# KiCad board output.Panel_R0.5.1_300x300_2layer_step1_Modified.kicad_pcb (continued)
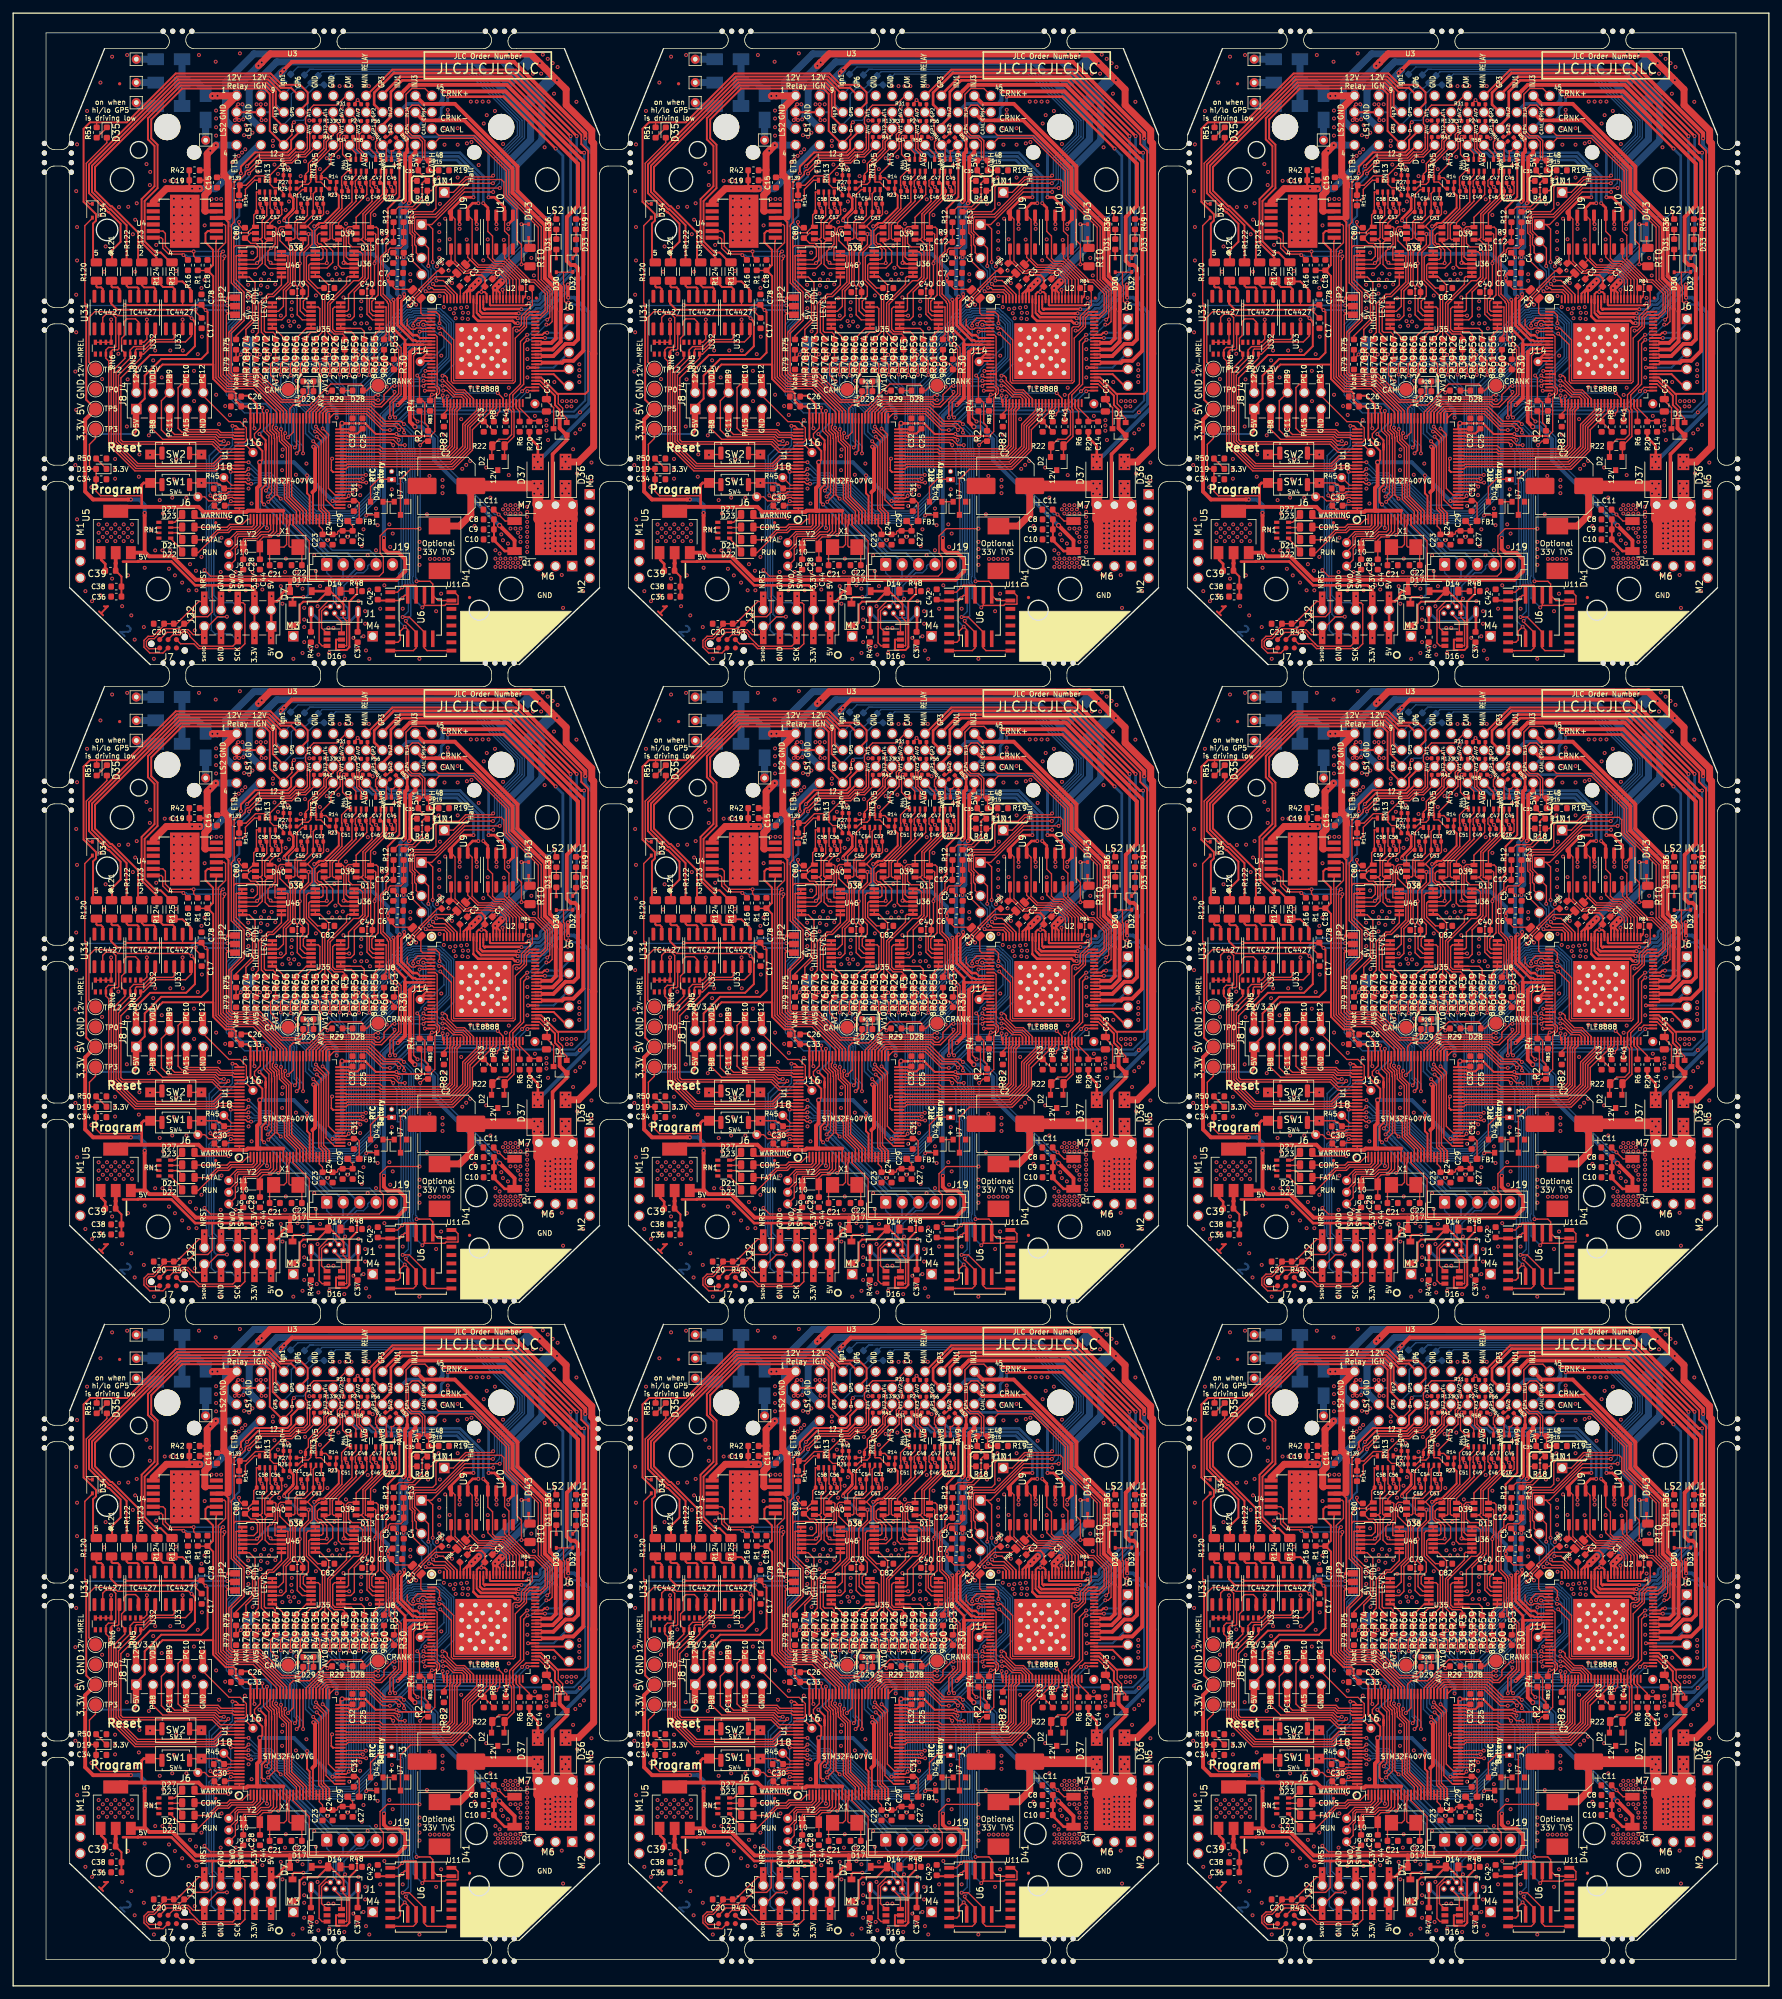
[diagram p0: board, top side]
## Nets (continued)
/AV2_MCU: R26.1 R26#2.1 R26#3.1 R26#4.1 R26#5.1 R26#6.1 R26#7.1 R26#8.1 R26#9.1 R39.2 R39#2.2 R39#3.2 R39#4.2 R39#5.2 R39#6.2 R39#7.2 R39#8.2 R39#9.2 U1.31 U1#2.31 U1#3.31 U1#4.31 U1#5.31 U1#6.31 U1#7.31 U1#8.31 U1#9.31
/AV3: R24.1 R24#2.1 R24#3.1 R24#4.1 R24#5.1 R24#6.1 R24#7.1 R24#8.1 R24#9.1 RN4.1 RN4#2.1 RN4#3.1 RN4#4.1 RN4#5.1 RN4#6.1 RN4#7.1 RN4#8.1 RN4#9.1 U3.31 U3#2.31 U3#3.31 U3#4.31 U3#5.31 U3#6.31 U3#7.31 U3#8.31 U3#9.31
/AV3_MCU: R5.1 R5#2.1 R5#3.1 R5#4.1 R5#5.1 R5#6.1 R5#7.1 R5#8.1 R5#9.1 R38.2 R38#2.2 R38#3.2 R38#4.2 R38#5.2 R38#6.2 R38#7.2 R38#8.2 R38#9.2 U1.32 U1#2.32 U1#3.32 U1#4.32 U1#5.32 U1#6.32 U1#7.32 U1#8.32 U1#9.32
/AV4: D7.2 D7#2.2 D7#3.2 D7#4.2 D7#5.2 D7#6.2 D7#7.2 D7#8.2 D7#9.2 R11.1 R11#2.1 R11#3.1 R11#4.1 R11#5.1 R11#6.1 R11#7.1 R11#8.1 R11#9.1 R131.1 R131#2.1 R131#3.1 R131#4.1 R131#5.1 R131#6.1 R131#7.1 R131#8.1 R131#9.1 RN13.2 RN13#2.2 RN13#3.2 RN13#4.2 RN13#5.2 RN13#6.2 RN13#7.2 RN13#8.2 RN13#9.2 U3.19 U3#2.19 U3#3.19 U3#4.19 U3#5.19 U3#6.19 U3#7.19 U3#8.19 U3#9.19
/AV4_MCU: R73.1 R73#2.1 R73#3.1 R73#4.1 R73#5.1 R73#6.1 R73#7.1 R73#8.1 R73#9.1 R77.2 R77#2.2 R77#3.2 R77#4.2 R77#5.2 R77#6.2 R77#7.2 R77#8.2 R77#9.2 U1.17 U1#2.17 U1#3.17 U1#4.17 U1#5.17 U1#6.17 U1#7.17 U1#8.17 U1#9.17
/AV5: R40.1 R40#2.1 R40#3.1 R40#4.1 R40#5.1 R40#6.1 R40#7.1 R40#8.1 R40#9.1 R41.1 R41#2.1 R41#3.1 R41#4.1 R41#5.1 R41#6.1 R41#7.1 R41#8.1 R41#9.1 RN13.1 RN13#2.1 RN13#3.1 RN13#4.1 RN13#5.1 RN13#6.1 RN13#7.1 RN13#8.1 RN13#9.1 U3.20 U3#2.20 U3#3.20 U3#4.20 U3#5.20 U3#6.20 U3#7.20 U3#8.20 U3#9.20
/AV5_MCU: R72.1 R72#2.1 R72#3.1 R72#4.1 R72#5.1 R72#6.1 R72#7.1 R72#8.1 R72#9.1 R76.2 R76#2.2 R76#3.2 R76#4.2 R76#5.2 R76#6.2 R76#7.2 R76#8.2 R76#9.2 U1.18 U1#2.18 U1#3.18 U1#4.18 U1#5.18 U1#6.18 U1#7.18 U1#8.18 U1#9.18
/AV6: R58.1 R58#2.1 R58#3.1 R58#4.1 R58#5.1 R58#6.1 R58#7.1 R58#8.1 R58#9.1 RN2.4 RN2#2.4 RN2#3.4 RN2#4.4 RN2#5.4 RN2#6.4 RN2#7.4 RN2#8.4 RN2#9.4 U2.78 U2#2.78 U2#3.78 U2#4.78 U2#5.78 U2#6.78 U2#7.78 U2#8.78 U2#9.78 U3.32 U3#2.32 U3#3.32 U3#4.32 U3#5.32 U3#6.32 U3#7.32 U3#8.32 U3#9.32 U9.6 U9#2.6 U9#3.6 U9#4.6 U9#5.6 U9#6.6 U9#7.6 U9#8.6 U9#9.6
/AV6_MCU: R59.1 R59#2.1 R59#3.1 R59#4.1 R59#5.1 R59#6.1 R59#7.1 R59#8.1 R59#9.1 R63.2 R63#2.2 R63#3.2 R63#4.2 R63#5.2 R63#6.2 R63#7.2 R63#8.2 R63#9.2 R86.2 R86#2.2 R86#3.2 R86#4.2 R86#5.2 R86#6.2 R86#7.2 R86#8.2 R86#9.2 U1.33 U1#2.33 U1#3.33 U1#4.33 U1#5.33 U1#6.33 U1#7.33 U1#8.33 U1#9.33
/AV7: R56.1 R56#2.1 R56#3.1 R56#4.1 R56#5.1 R56#6.1 R56#7.1 R56#8.1 R56#9.1 RN2.3 RN2#2.3 RN2#3.3 RN2#4.3 RN2#5.3 RN2#6.3 RN2#7.3 RN2#8.3 RN2#9.3 U3.30 U3#2.30 U3#3.30 U3#4.30 U3#5.30 U3#6.30 U3#7.30 U3#8.30 U3#9.30
/AV7_MCU: R57.1 R57#2.1 R57#3.1 R57#4.1 R57#5.1 R57#6.1 R57#7.1 R57#8.1 R57#9.1 R62.2 R62#2.2 R62#3.2 R62#4.2 R62#5.2 R62#6.2 R62#7.2 R62#8.2 R62#9.2 U1.34 U1#2.34 U1#3.34 U1#4.34 U1#5.34 U1#6.34 U1#7.34 U1#8.34 U1#9.34
/AV8: R54.1 R54#2.1 R54#3.1 R54#4.1 R54#5.1 R54#6.1 R54#7.1 R54#8.1 R54#9.1 RN2.2 RN2#2.2 RN2#3.2 RN2#4.2 RN2#5.2 RN2#6.2 RN2#7.2 RN2#8.2 RN2#9.2 U2.76 U2#2.76 U2#3.76 U2#4.76 U2#5.76 U2#6.76 U2#7.76 U2#8.76 U2#9.76 U3.36 U3#2.36 U3#3.36 U3#4.36 U3#5.36 U3#6.36 U3#7.36 U3#8.36 U3#9.36 U10.8 U10#2.8 U10#3.8 U10#4.8 U10#5.8 U10#6.8 U10#7.8 U10#8.8 U10#9.8
/AV8_MCU: R55.1 R55#2.1 R55#3.1 R55#4.1 R55#5.1 R55#6.1 R55#7.1 R55#8.1 R55#9.1 R61.2 R61#2.2 R61#3.2 R61#4.2 R61#5.2 R61#6.2 R61#7.2 R61#8.2 R61#9.2 R84.2 R84#2.2 R84#3.2 R84#4.2 R84#5.2 R84#6.2 R84#7.2 R84#8.2 R84#9.2 U1.35 U1#2.35 U1#3.35 U1#4.35 U1#5.35 U1#6.35 U1#7.35 U1#8.35 U1#9.35
/AV9: R7.2 R7#2.2 R7#3.2 R7#4.2 R7#5.2 R7#6.2 R7#7.2 R7#8.2 R7#9.2 R52.1 R52#2.1 R52#3.1 R52#4.1 R52#5.1 R52#6.1 R52#7.1 R52#8.1 R52#9.1 RN2.1 RN2#2.1 RN2#3.1 RN2#4.1 RN2#5.1 RN2#6.1 RN2#7.1 RN2#8.1 RN2#9.1 U2.73 U2#2.73 U2#3.73 U2#4.73 U2#5.73 U2#6.73 U2#7.73 U2#8.73 U2#9.73 U3.40 U3#2.40 U3#3.40 U3#4.40 U3#5.40 U3#6.40 U3#7.40 U3#8.40 U3#9.40 U10.6 U10#2.6 U10#3.6 U10#4.6 U10#5.6 U10#6.6 U10#7.6 U10#8.6 U10#9.6
/AV9_MCU: R30.2 R30#2.2 R30#3.2 R30#4.2 R30#5.2 R30#6.2 R30#7.2 R30#8.2 R30#9.2 R53.1 R53#2.1 R53#3.1 R53#4.1 R53#5.1 R53#6.1 R53#7.1 R53#8.1 R53#9.1 R60.2 R60#2.2 R60#3.2 R60#4.2 R60#5.2 R60#6.2 R60#7.2 R60#8.2 R60#9.2 U1.36 U1#2.36 U1#3.36 U1#4.36 U1#5.36 U1#6.36 U1#7.36 U1#8.36 U1#9.36
/AV10: R34.1 R34#2.1 R34#3.1 R34#4.1 R34#5.1 R34#6.1 R34#7.1 R34#8.1 R34#9.1 RN4.3 RN4#2.3 RN4#3.3 RN4#4.3 RN4#5.3 RN4#6.3 RN4#7.3 RN4#8.3 RN4#9.3 U2.80 U2#2.80 U2#3.80 U2#4.80 U2#5.80 U2#6.80 U2#7.80 U2#8.80 U2#9.80 U3.28 U3#2.28 U3#3.28 U3#4.28 U3#5.28 U3#6.28 U3#7.28 U3#8.28 U3#9.28 U9.8 U9#2.8 U9#3.8 U9#4.8 U9#5.8 U9#6.8 U9#7.8 U9#8.8 U9#9.8
/AV10_MCU: R32.1 R32#2.1 R32#3.1 R32#4.1 R32#5.1 R32#6.1 R32#7.1 R32#8.1 R32#9.1 R44.2 R44#2.2 R44#3.2 R44#4.2 R44#5.2 R44#6.2 R44#7.2 R44#8.2 R44#9.2 R85.2 R85#2.2 R85#3.2 R85#4.2 R85#5.2 R85#6.2 R85#7.2 R85#8.2 R85#9.2 U1.29 U1#2.29 U1#3.29 U1#4.29 U1#5.29 U1#6.29 U1#7.29 U1#8.29 U1#9.29
/MCU/VBAT: D42.1 D42#2.1 D42#3.1 D42#4.1 D42#5.1 D42#6.1 D42#7.1 D42#8.1 D42#9.1 U7.2 U7#2.2 U7#3.2 U7#4.2 U7#5.2 U7#6.2 U7#7.2 U7#8.2 U7#9.2
/MCU/VDDA: C23.2 C23#2.2 C23#3.2 C23#4.2 C23#5.2 C23#6.2 C23#7.2 C23#8.2 C23#9.2 C24.2 C24#2.2 C24#3.2 C24#4.2 C24#5.2 C24#6.2 C24#7.2 C24#8.2 C24#9.2 C27.2 C27#2.2 C27#3.2 C27#4.2 C27#5.2 C27#6.2 C27#7.2 C27#8.2 C27#9.2 C29.2 C29#2.2 C29#3.2 C29#4.2 C29#5.2 C29#6.2 C29#7.2 C29#8.2 C29#9.2 FB1.2 FB1#2.2 FB1#3.2 FB1#4.2 FB1#5.2 FB1#6.2 FB1#7.2 FB1#8.2 FB1#9.2 U1.21 U1.22 U1#2.21 U1#2.22 U1#3.21 U1#3.22 U1#4.21 U1#4.22 U1#5.21 U1#5.22 U1#6.21 U1#6.22 U1#7.21 U1#7.22 U1#8.21 U1#8.22 U1#9.21 U1#9.22
/TLE8888-1QK/5V_STBY: C13.1 C13#2.1 C13#3.1 C13#4.1 C13#5.1 C13#6.1 C13#7.1 C13#8.1 C13#9.1 R8.1 R8#2.1 R8#3.1 R8#4.1 R8#5.1 R8#6.1 R8#7.1 R8#8.1 R8#9.1 U2.40 U2.41 U2#2.40 U2#2.41 U2#3.40 U2#3.41 U2#4.40 U2#4.41 U2#5.40 U2#5.41 U2#6.40 U2#6.41 U2#7.40 U2#7.41 U2#8.40 U2#8.41 U2#9.40 U2#9.41 U7.3 U7#2.3 U7#3.3 U7#4.3 U7#5.3 U7#6.3 U7#7.3 U7#8.3 U7#9.3
/TLE8888-1QK/V6GATE: C11.1 C11#2.1 C11#3.1 C11#4.1 C11#5.1 C11#6.1 C11#7.1 C11#8.1 C11#9.1 Q1.1 Q1#2.1 Q1#3.1 Q1#4.1 Q1#5.1 Q1#6.1 Q1#7.1 Q1#8.1 Q1#9.1 U2.13 U2#2.13 U2#3.13 U2#4.13 U2#5.13 U2#6.13 U2#7.13 U2#8.13 U2#9.13
/TLE8888-1QK/V6V: C8.1 C8#2.1 C8#3.1 C8#4.1 C8#5.1 C8#6.1 C8#7.1 C8#8.1 C8#9.1 C9.1 C9#2.1 C9#3.1 C9#4.1 C9#5.1 C9#6.1 C9#7.1 C9#8.1 C9#9.1 C10.1 C10#2.1 C10#3.1 C10#4.1 C10#5.1 C10#6.1 C10#7.1 C10#8.1 C10#9.1 Q1.3 Q1#2.3 Q1#3.3 Q1#4.3 Q1#5.3 Q1#6.3 Q1#7.3 Q1#8.3 Q1#9.3 U2.12 U2#2.12 U2#3.12 U2#4.12 U2#5.12 U2#6.12 U2#7.12 U2#8.12 U2#9.12
/Vbat_MCU: R74.1 R74#2.1 R74#3.1 R74#4.1 R74#5.1 R74#6.1 R74#7.1 R74#8.1 R74#9.1 R78.2 R78#2.2 R78#3.2 R78#4.2 R78#5.2 R78#6.2 R78#7.2 R78#8.2 R78#9.2 U1.16 U1#2.16 U1#3.16 U1#4.16 U1#5.16 U1#6.16 U1#7.16 U1#8.16 U1#9.16
/VDD: C18.1 C18#2.1 C18#3.1 C18#4.1 C18#5.1 C18#6.1 C18#7.1 C18#8.1 C18#9.1 C30.2 C30#2.2 C30#3.2 C30#4.2 C30#5.2 C30#6.2 C30#7.2 C30#8.2 C30#9.2 C31.2 C31#2.2 C31#3.2 C31#4.2 C31#5.2 C31#6.2 C31#7.2 C31#8.2 C31#9.2 C32.2 C32#2.2 C32#3.2 C32#4.2 C32#5.2 C32#6.2 C32#7.2 C32#8.2 C32#9.2 C33.2 C33#2.2 C33#3.2 C33#4.2 C33#5.2 C33#6.2 C33#7.2 C33#8.2 C33#9.2 C34.2 C34#2.2 C34#3.2 C34#4.2 C34#5.2 C34#6.2 C34#7.2 C34#8.2 C34#9.2 C36.2 C36#2.2 C36#3.2 C36#4.2 C36#5.2 C36#6.2 C36#7.2 C36#8.2 C36#9.2 C38.1 C38#2.1 C38#3.1 C38#4.1 C38#5.1 C38#6.1 C38#7.1 C38#8.1 C38#9.1 C39.2 C39#2.2 C39#3.2 C39#4.2 C39#5.2 C39#6.2 C39#7.2 C39#8.2 C39#9.2 C42.2 C42#2.2 C42#3.2 C42#4.2 C42#5.2 C42#6.2 C42#7.2 C42#8.2 C42#9.2 D19.2 D19#2.2 D19#3.2 D19#4.2 D19#5.2 D19#6.2 D19#7.2 D19#8.2 D19#9.2 FB1.1 FB1#2.1 FB1#3.1 FB1#4.1 FB1#5.1 FB1#6.1 FB1#7.1 FB1#8.1 FB1#9.1 J2.3 J2.4 J2#2.3 J2#2.4 J2#3.3 J2#3.4 J2#4.3 J2#4.4 J2#5.3 J2#5.4 J2#6.3 J2#6.4 J2#7.3 J2#7.4 J2#8.3 J2#8.4 J2#9.3 J2#9.4 J4.4 J4#2.4 J4#3.4 J4#4.4 J4#5.4 J4#6.4 J4#7.4 J4#8.4 J4#9.4 J7.1 J7#2.1 J7#3.1 J7#4.1 J7#5.1 J7#6.1 J7#7.1 J7#8.1 J7#9.1 R1.1 R1#2.1 R1#3.1 R1#4.1 R1#5.1 R1#6.1 R1#7.1 R1#8.1 R1#9.1 R4.1 R4#2.1 R4#3.1 R4#4.1 R4#5.1 R4#6.1 R4#7.1 R4#8.1 R4#9.1 R43.1 R43#2.1 R43#3.1 R43#4.1 R43#5.1 R43#6.1 R43#7.1 R43#8.1 R43#9.1 SW1.1 SW1#2.1 SW1#3.1 SW1#4.1 SW1#5.1 SW1#6.1 SW1#7.1 SW1#8.1 SW1#9.1 SW4.1 SW4#2.1 SW4#3.1 SW4#4.1 SW4#5.1 SW4#6.1 SW4#7.1 SW4#8.1 SW4#9.1 TP3.1 TP3#2.1 TP3#3.1 TP3#4.1 TP3#5.1 TP3#6.1 TP3#7.1 TP3#8.1 TP3#9.1 U1.11 U1.19 U1.28 U1.50 U1.75 U1.100 U1#2.11 U1#2.19 U1#2.28 U1#2.50 U1#2.75 U1#2.100 U1#3.11 U1#3.19 U1#3.28 U1#3.50 U1#3.75 U1#3.100 U1#4.11 U1#4.19 U1#4.28 U1#4.50 U1#4.75 U1#4.100 U1#5.11 U1#5.19 U1#5.28 U1#5.50 U1#5.75 U1#5.100 U1#6.11 U1#6.19 U1#6.28 U1#6.50 U1#6.75 U1#6.100 U1#7.11 U1#7.19 U1#7.28 U1#7.50 U1#7.75 U1#7.100 U1#8.11 U1#8.19 U1#8.28 U1#8.50 U1#8.75 U1#8.100 U1#9.11 U1#9.19 U1#9.28 U1#9.50 U1#9.75 U1#9.100 U2.8 U2.20 U2#2.8 U2#2.20 U2#3.8 U2#3.20 U2#4.8 U2#4.20 U2#5.8 U2#5.20 U2#6.8 U2#6.20 U2#7.8 U2#7.20 U2#8.8 U2#8.20 U2#9.8 U2#9.20 U3.J203 U3.J204 U3.J804 U3#2.J203 U3#2.J204 U3#2.J804 U3#3.J203 U3#3.J204 U3#3.J804 U3#4.J203 U3#4.J204 U3#4.J804 U3#5.J203 U3#5.J204 U3#5.J804 U3#6.J203 U3#6.J204 U3#6.J804 U3#7.J203 U3#7.J204 U3#7.J804 U3#8.J203 U3#8.J204 U3#8.J804 U3#9.J203 U3#9.J204 U3#9.J804 U4.2 U4#2.2 U4#3.2 U4#4.2 U4#5.2 U4#6.2 U4#7.2 U4#8.2 U4#9.2 U5.2 U5#2.2 U5#3.2 U5#4.2 U5#5.2 U5#6.2 U5#7.2 U5#8.2 U5#9.2 U6.8 U6#2.8 U6#3.8 U6#4.8 U6#5.8 U6#6.8 U6#7.8 U6#8.8 U6#9.8 U11.2 U11#2.2 U11#3.2 U11#4.2 U11#5.2 U11#6.2 U11#7.2 U11#8.2 U11#9.2
GND: C1.2 C1#2.2 C1#3.2 C1#4.2 C1#5.2 C1#6.2 C1#7.2 C1#8.2 C1#9.2 C2.2 C2#2.2 C2#3.2 C2#4.2 C2#5.2 C2#6.2 C2#7.2 C2#8.2 C2#9.2 C4.2 C4#2.2 C4#3.2 C4#4.2 C4#5.2 C4#6.2 C4#7.2 C4#8.2 C4#9.2 C5.2 C5#2.2 C5#3.2 C5#4.2 C5#5.2 C5#6.2 C5#7.2 C5#8.2 C5#9.2 C6.2 C6#2.2 C6#3.2 C6#4.2 C6#5.2 C6#6.2 C6#7.2 C6#8.2 C6#9.2 C7.2 C7#2.2 C7#3.2 C7#4.2 C7#5.2 C7#6.2 C7#7.2 C7#8.2 C7#9.2 C8.2 C8#2.2 C8#3.2 C8#4.2 C8#5.2 C8#6.2 C8#7.2 C8#8.2 C8#9.2 C9.2 C9#2.2 C9#3.2 C9#4.2 C9#5.2 C9#6.2 C9#7.2 C9#8.2 C9#9.2 C10.2 C10#2.2 C10#3.2 C10#4.2 C10#5.2 C10#6.2 C10#7.2 C10#8.2 C10#9.2 C11.2 C11#2.2 C11#3.2 C11#4.2 C11#5.2 C11#6.2 C11#7.2 C11#8.2 C11#9.2 C13.2 C13#2.2 C13#3.2 C13#4.2 C13#5.2 C13#6.2 C13#7.2 C13#8.2 C13#9.2 C14.2 C14#2.2 C14#3.2 C14#4.2 C14#5.2 C14#6.2 C14#7.2 C14#8.2 C14#9.2 C15.2 C15#2.2 C15#3.2 C15#4.2 C15#5.2 C15#6.2 C15#7.2 C15#8.2 C15#9.2 C16.2 C16#2.2 C16#3.2 C16#4.2 C16#5.2 C16#6.2 C16#7.2 C16#8.2 C16#9.2 C17.2 C17#2.2 C17#3.2 C17#4.2 C17#5.2 C17#6.2 C17#7.2 C17#8.2 C17#9.2 C18.2 C18#2.2 C18#3.2 C18#4.2 C18#5.2 C18#6.2 C18#7.2 C18#8.2 C18#9.2 C20.1 C20#2.1 C20#3.1 C20#4.1 C20#5.1 C20#6.1 C20#7.1 C20#8.1 C20#9.1 C21.2 C21#2.2 C21#3.2 C21#4.2 C21#5.2 C21#6.2 C21#7.2 C21#8.2 C21#9.2 C22.2 C22#2.2 C22#3.2 C22#4.2 C22#5.2 C22#6.2 C22#7.2 C22#8.2 C22#9.2 C23.1 C23#2.1 C23#3.1 C23#4.1 C23#5.1 C23#6.1 C23#7.1 C23#8.1 C23#9.1 C24.1 C24#2.1 C24#3.1 C24#4.1 C24#5.1 C24#6.1 C24#7.1 C24#8.1 C24#9.1 C25.2 C25#2.2 C25#3.2 C25#4.2 C25#5.2 C25#6.2 C25#7.2 C25#8.2 C25#9.2 C26.2 C26#2.2 C26#3.2 C26#4.2 C26#5.2 C26#6.2 C26#7.2 C26#8.2 C26#9.2 C27.1 C27#2.1 C27#3.1 C27#4.1 C27#5.1 C27#6.1 C27#7.1 C27#8.1 C27#9.1 C28.2 C28#2.2 C28#3.2 C28#4.2 C28#5.2 C28#6.2 C28#7.2 C28#8.2 C28#9.2 C29.1 C29#2.1 C29#3.1 C29#4.1 C29#5.1 C29#6.1 C29#7.1 C29#8.1 C29#9.1 C30.1 C30#2.1 C30#3.1 C30#4.1 C30#5.1 C30#6.1 C30#7.1 C30#8.1 C30#9.1 C31.1 C31#2.1 C31#3.1 C31#4.1 C31#5.1 C31#6.1 C31#7.1 C31#8.1 C31#9.1 C32.1 C32#2.1 C32#3.1 C32#4.1 C32#5.1 C32#6.1 C32#7.1 C32#8.1 C32#9.1 C33.1 C33#2.1 C33#3.1 C33#4.1 C33#5.1 C33#6.1 C33#7.1 C33#8.1 C33#9.1 C34.1 C34#2.1 C34#3.1 C34#4.1 C34#5.1 C34#6.1 C34#7.1 C34#8.1 C34#9.1 C36.1 C36#2.1 C36#3.1 C36#4.1 C36#5.1 C36#6.1 C36#7.1 C36#8.1 C36#9.1 C37.2 C37#2.2 C37#3.2 C37#4.2 C37#5.2 C37#6.2 C37#7.2 C37#8.2 C37#9.2 C38.2 C38#2.2 C38#3.2 C38#4.2 C38#5.2 C38#6.2 C38#7.2 C38#8.2 C38#9.2 C39.1 C39#2.1 C39#3.1 C39#4.1 C39#5.1 C39#6.1 C39#7.1 C39#8.1 C39#9.1 C40.2 C40#2.2 C40#3.2 C40#4.2 C40#5.2 C40#6.2 C40#7.2 C40#8.2 C40#9.2 C41.2 C41#2.2 C41#3.2 C41#4.2 C41#5.2 C41#6.2 C41#7.2 C41#8.2 C41#9.2 C42.1 C42#2.1 C42#3.1 C42#4.1 C42#5.1 C42#6.1 C42#7.1 C42#8.1 C42#9.1 C43.2 C43#2.2 C43#3.2 C43#4.2 C43#5.2 C43#6.2 C43#7.2 C43#8.2 C43#9.2 C44.1 C44#2.1 C44#3.1 C44#4.1 C44#5.1 C44#6.1 C44#7.1 C44#8.1 C44#9.1 C45.2 C45#2.2 C45#3.2 C45#4.2 C45#5.2 C45#6.2 C45#7.2 C45#8.2 C45#9.2 C46.2 C46#2.2 C46#3.2 C46#4.2 C46#5.2 C46#6.2 C46#7.2 C46#8.2 C46#9.2 C47.2 C47#2.2 C47#3.2 C47#4.2 C47#5.2 C47#6.2 C47#7.2 C47#8.2 C47#9.2 C48.2 C48#2.2 C48#3.2 C48#4.2 C48#5.2 C48#6.2 C48#7.2 C48#8.2 C48#9.2 C49.2 C49#2.2 C49#3.2 C49#4.2 C49#5.2 C49#6.2 C49#7.2 C49#8.2 C49#9.2 C50.2 C50#2.2 C50#3.2 C50#4.2 C50#5.2 C50#6.2 C50#7.2 C50#8.2 C50#9.2 C51.2 C51#2.2 C51#3.2 C51#4.2 C51#5.2 C51#6.2 C51#7.2 C51#8.2 C51#9.2 C52.2 C52#2.2 C52#3.2 C52#4.2 C52#5.2 C52#6.2 C52#7.2 C52#8.2 C52#9.2 C53.2 C53#2.2 C53#3.2 C53#4.2 C53#5.2 C53#6.2 C53#7.2 C53#8.2 C53#9.2 C54.2 C54#2.2 C54#3.2 C54#4.2 C54#5.2 C54#6.2 C54#7.2 C54#8.2 C54#9.2 C55.2 C55#2.2 C55#3.2 C55#4.2 C55#5.2 C55#6.2 C55#7.2 C55#8.2 C55#9.2 C56.2 C56#2.2 C56#3.2 C56#4.2 C56#5.2 C56#6.2 C56#7.2 C56#8.2 C56#9.2 C57.2 C57#2.2 C57#3.2 C57#4.2 C57#5.2 C57#6.2 C57#7.2 C57#8.2 C57#9.2 C58.2 C58#2.2 C58#3.2 C58#4.2 C58#5.2 C58#6.2 C58#7.2 C58#8.2 C58#9.2 C59.2 C59#2.2 C59#3.2 C59#4.2 C59#5.2 C59#6.2 C59#7.2 C59#8.2 C59#9.2 C78.2 C78#2.2 C78#3.2 C78#4.2 C78#5.2 C78#6.2 C78#7.2 C78#8.2 C78#9.2 C79.2 C79#2.2 C79#3.2 C79#4.2 C79#5.2 C79#6.2 C79#7.2 C79#8.2 C79#9.2 C80.2 C80#2.2 C80#3.2 C80#4.2 C80#5.2 C80#6.2 C80#7.2 C80#8.2 C80#9.2 C82.2 C82#2.2 C82#3.2 C82#4.2 C82#5.2 C82#6.2 C82#7.2 C82#8.2 C82#9.2 D2.3 D2#2.3 D2#3.3 D2#4.3 D2#5.3 D2#6.3 D2#7.3 D2#8.3 D2#9.3 D13.2 D13#2.2 D13#3.2 D13#4.2 D13#5.2 D13#6.2 D13#7.2 D13#8.2 D13#9.2 D16.2 D16#2.2 D16#3.2 D16#4.2 D16#5.2 D16#6.2 D16#7.2 D16#8.2 D16#9.2 D38.2 D38#2.2 D38#3.2 D38#4.2 D38#5.2 D38#6.2 D38#7.2 D38#8.2 D38#9.2 D39.2 D39#2.2 D39#3.2 D39#4.2 D39#5.2 D39#6.2 D39#7.2 D39#8.2 D39#9.2 D40.2 D40#2.2 D40#3.2 D40#4.2 D40#5.2 D40#6.2 D40#7.2 D40#8.2 D40#9.2 D41.2 D41#2.2 D41#3.2 D41#4.2 D41#5.2 D41#6.2 D41#7.2 D41#8.2 D41#9.2 J1.5 J1#2.5 J1#3.5 J1#4.5 J1#5.5 J1#6.5 J1#7.5 J1#8.5 J1#9.5 J2.7 J2.8 J2#2.7 J2#2.8 J2#3.7 J2#3.8 J2#4.7 J2#4.8 J2#5.7 J2#5.8 J2#6.7 J2#6.8 J2#7.7 J2#7.8 J2#8.7 J2#8.8 J2#9.7 J2#9.8 J4.9 J4#2.9 J4#3.9 J4#4.9 J4#5.9 J4#6.9 J4#7.9 J4#8.9 J4#9.9 J7.5 J7#2.5 J7#3.5 J7#4.5 J7#5.5 J7#6.5 J7#7.5 J7#8.5 J7#9.5 J19.5 J19#2.5 J19#3.5 J19#4.5 J19#5.5 J19#6.5 J19#7.5 J19#8.5 J19#9.5 NT2.1 NT2#2.1 NT2#3.1 NT2#4.1 NT2#5.1 NT2#6.1 NT2#7.1 NT2#8.1 NT2#9.1 NT3.1 NT3#2.1 NT3#3.1 NT3#4.1 NT3#5.1 NT3#6.1 NT3#7.1 NT3#8.1 NT3#9.1 R6.1 R6#2.1 R6#3.1 R6#4.1 R6#5.1 R6#6.1 R6#7.1 R6#8.1 R6#9.1 R16.2 R16#2.2 R16#3.2 R16#4.2 R16#5.2 R16#6.2 R16#7.2 R16#8.2 R16#9.2 R19.1 R19#2.1 R19#3.1 R19#4.1 R19#5.1 R19#6.1 R19#7.1 R19#8.1 R19#9.1 R24.2 R24#2.2 R24#3.2 R24#4.2 R24#5.2 R24#6.2 R24#7.2 R24#8.2 R24#9.2 R29.2 R29#2.2 R29#3.2 R29#4.2 R29#5.2 R29#6.2 R29#7.2 R29#8.2 R29#9.2 R31.2 R31#2.2 R31#3.2 R31#4.2 R31#5.2 R31#6.2 R31#7.2 R31#8.2 R31#9.2 R34.2 R34#2.2 R34#3.2 R34#4.2 R34#5.2 R34#6.2 R34#7.2 R34#8.2 R34#9.2 R37.2 R37#2.2 R37#3.2 R37#4.2 R37#5.2 R37#6.2 R37#7.2 R37#8.2 R37#9.2 R41.2 R41#2.2 R41#3.2 R41#4.2 R41#5.2 R41#6.2 R41#7.2 R41#8.2 R41#9.2 R45.2 R45#2.2 R45#3.2 R45#4.2 R45#5.2 R45#6.2 R45#7.2 R45#8.2 R45#9.2 R47.2 R47#2.2 R47#3.2 R47#4.2 R47#5.2 R47#6.2 R47#7.2 R47#8.2 R47#9.2 R48.1 R48#2.1 R48#3.1 R48#4.1 R48#5.1 R48#6.1 R48#7.1 R48#8.1 R48#9.1 R50.1 R50#2.1 R50#3.1 R50#4.1 R50#5.1 R50#6.1 R50#7.1 R50#8.1 R50#9.1 R52.2 R52#2.2 R52#3.2 R52#4.2 R52#5.2 R52#6.2 R52#7.2 R52#8.2 R52#9.2 R54.2 R54#2.2 R54#3.2 R54#4.2 R54#5.2 R54#6.2 R54#7.2 R54#8.2 R54#9.2 R56.2 R56#2.2 R56#3.2 R56#4.2 R56#5.2 R56#6.2 R56#7.2 R56#8.2 R56#9.2 R58.2 R58#2.2 R58#3.2 R58#4.2 R58#5.2 R58#6.2 R58#7.2 R58#8.2 R58#9.2 R82.2 R82#2.2 R82#3.2 R82#4.2 R82#5.2 R82#6.2 R82#7.2 R82#8.2 R82#9.2 R83.2 R83#2.2 R83#3.2 R83#4.2 R83#5.2 R83#6.2 R83#7.2 R83#8.2 R83#9.2 R131.2 R131#2.2 R131#3.2 R131#4.2 R131#5.2 R131#6.2 R131#7.2 R131#8.2 R131#9.2 R141.2 R141#2.2 R141#3.2 R141#4.2 R141#5.2 R141#6.2 R141#7.2 R141#8.2 R141#9.2 RN1.5 RN1.6 RN1.7 RN1.8 RN1#2.5 RN1#2.6 RN1#2.7 RN1#2.8 RN1#3.5 RN1#3.6 RN1#3.7 RN1#3.8 RN1#4.5 RN1#4.6 RN1#4.7 RN1#4.8 RN1#5.5 RN1#5.6 RN1#5.7 RN1#5.8 RN1#6.5 RN1#6.6 RN1#6.7 RN1#6.8 RN1#7.5 RN1#7.6 RN1#7.7 RN1#7.8 RN1#8.5 RN1#8.6 RN1#8.7 RN1#8.8 RN1#9.5 RN1#9.6 RN1#9.7 RN1#9.8 RN5.1 RN5.2 RN5.3 RN5.4 RN5#2.1 RN5#2.2 RN5#2.3 RN5#2.4 RN5#3.1 RN5#3.2 RN5#3.3 RN5#3.4 RN5#4.1 RN5#4.2 RN5#4.3 RN5#4.4 RN5#5.1 RN5#5.2 RN5#5.3 RN5#5.4 RN5#6.1 RN5#6.2 RN5#6.3 RN5#6.4 RN5#7.1 RN5#7.2 RN5#7.3 RN5#7.4 RN5#8.1 RN5#8.2 RN5#8.3 RN5#8.4 RN5#9.1 RN5#9.2 RN5#9.3 RN5#9.4 RN6.1 RN6.2 RN6.3 RN6.4 RN6#2.1 RN6#2.2 RN6#2.3 RN6#2.4 RN6#3.1 RN6#3.2 RN6#3.3 RN6#3.4 RN6#4.1 RN6#4.2 RN6#4.3 RN6#4.4 RN6#5.1 RN6#5.2 RN6#5.3 RN6#5.4 RN6#6.1 RN6#6.2 RN6#6.3 RN6#6.4 RN6#7.1 RN6#7.2 RN6#7.3 RN6#7.4 RN6#8.1 RN6#8.2 RN6#8.3 RN6#8.4 RN6#9.1 RN6#9.2 RN6#9.3 RN6#9.4 SW2.2 SW2#2.2 SW2#3.2 SW2#4.2 SW2#5.2 SW2#6.2 SW2#7.2 SW2#8.2 SW2#9.2 SW3.2 SW3#2.2 SW3#3.2 SW3#4.2 SW3#5.2 SW3#6.2 SW3#7.2 SW3#8.2 SW3#9.2 TP0.1 TP0#2.1 TP0#3.1 TP0#4.1 TP0#5.1 TP0#6.1 TP0#7.1 TP0#8.1 TP0#9.1 U1.10 U1.27 U1.74 U1.99 U1#2.10 U1#2.27 U1#2.74 U1#2.99 U1#3.10 U1#3.27 U1#3.74 U1#3.99 U1#4.10 U1#4.27 U1#4.74 U1#4.99 U1#5.10 U1#5.27 U1#5.74 U1#5.99 U1#6.10 U1#6.27 U1#6.74 U1#6.99 U1#7.10 U1#7.27 U1#7.74 U1#7.99 U1#8.10 U1#8.27 U1#8.74 U1#8.99 U1#9.10 U1#9.27 U1#9.74 U1#9.99 U2.6 U2.19 U2.25 U2.26 U2.50 U2.75 U2.100 U2.101 U2#2.6 U2#2.19 U2#2.25 U2#2.26 U2#2.50 U2#2.75 U2#2.100 U2#2.101 U2#3.6 U2#3.19 U2#3.25 U2#3.26 U2#3.50 U2#3.75 U2#3.100 U2#3.101 U2#4.6 U2#4.19 U2#4.25 U2#4.26 U2#4.50 U2#4.75 U2#4.100 U2#4.101 U2#5.6 U2#5.19 U2#5.25 U2#5.26 U2#5.50 U2#5.75 U2#5.100 U2#5.101 U2#6.6 U2#6.19 U2#6.25 U2#6.26 U2#6.50 U2#6.75 U2#6.100 U2#6.101 U2#7.6 U2#7.19 U2#7.25 U2#7.26 U2#7.50 U2#7.75 U2#7.100 U2#7.101 U2#8.6 U2#8.19 U2#8.25 U2#8.26 U2#8.50 U2#8.75 U2#8.100 U2#8.101 U2#9.6 U2#9.19 U2#9.25 U2#9.26 U2#9.50 U2#9.75 U2#9.100 U2#9.101 U3.2 U3.6 U3.17 U3.21 U3.J32 U3.J207 U3.J208 U3.J809 U3#2.2 U3#2.6 U3#2.17 U3#2.21 U3#2.J32 U3#2.J207 U3#2.J208 U3#2.J809 U3#3.2 U3#3.6 U3#3.17 U3#3.21 U3#3.J32 U3#3.J207 U3#3.J208 U3#3.J809 U3#4.2 U3#4.6 U3#4.17 U3#4.21 U3#4.J32 U3#4.J207 U3#4.J208 U3#4.J809 U3#5.2 U3#5.6 U3#5.17 U3#5.21 U3#5.J32 U3#5.J207 U3#5.J208 U3#5.J809 U3#6.2 U3#6.6 U3#6.17 U3#6.21 U3#6.J32 U3#6.J207 U3#6.J208 U3#6.J809 U3#7.2 U3#7.6 U3#7.17 U3#7.21 U3#7.J32 U3#7.J207 U3#7.J208 U3#7.J809 U3#8.2 U3#8.6 U3#8.17 U3#8.21 U3#8.J32 U3#8.J207 U3#8.J208 U3#8.J809 U3#9.2 U3#9.6 U3#9.17 U3#9.21 U3#9.J32 U3#9.J207 U3#9.J208 U3#9.J809 U4.6 U4.8 U4.9 U4.10 U4.13 U4#2.6 U4#2.8 U4#2.9 U4#2.10 U4#2.13 U4#3.6 U4#3.8 U4#3.9 U4#3.10 U4#3.13 U4#4.6 U4#4.8 U4#4.9 U4#4.10 U4#4.13 U4#5.6 U4#5.8 U4#5.9 U4#5.10 U4#5.13 U4#6.6 U4#6.8 U4#6.9 U4#6.10 U4#6.13 U4#7.6 U4#7.8 U4#7.9 U4#7.10 U4#7.13 U4#8.6 U4#8.8 U4#8.9 U4#8.10 U4#8.13 U4#9.6 U4#9.8 U4#9.9 U4#9.10 U4#9.13 U5.1 U5#2.1 U5#3.1 U5#4.1 U5#5.1 U5#6.1 U5#7.1 U5#8.1 U5#9.1 U6.4 U6#2.4 U6#3.4 U6#4.4 U6#5.4 U6#6.4 U6#7.4 U6#8.4 U6#9.4 U7.1 U7#2.1 U7#3.1 U7#4.1 U7#5.1 U7#6.1 U7#7.1 U7#8.1 U7#9.1 U8.11 U8#2.11 U8#3.11 U8#4.11 U8#5.11 U8#6.11 U8#7.11 U8#8.11 U8#9.11 U9.5 U9.7 U9#2.5 U9#2.7 U9#3.5 U9#3.7 U9#4.5 U9#4.7 U9#5.5 U9#5.7 U9#6.5 U9#6.7 U9#7.5 U9#7.7 U9#8.5 U9#8.7 U9#9.5 U9#9.7 U10.5 U10.7 U10#2.5 U10#2.7 U10#3.5 U10#3.7 U10#4.5 U10#4.7 U10#5.5 U10#5.7 U10#6.5 U10#6.7 U10#7.5 U10#7.7 U10#8.5 U10#8.7 U10#9.5 U10#9.7 U11.10 U11#2.10 U11#3.10 U11#4.10 U11#5.10 U11#6.10 U11#7.10 U11#8.10 U11#9.10 U31.3 U31#2.3 U31#3.3 U31#4.3 U31#5.3 U31#6.3 U31#7.3 U31#8.3 U31#9.3 U32.3 U32#2.3 U32#3.3 U32#4.3 U32#5.3 U32#6.3 U32#7.3 U32#8.3 U32#9.3 U33.3 U33#2.3 U33#3.3 U33#4.3 U33#5.3 U33#6.3 U33#7.3 U33#8.3 U33#9.3 U35.11 U35#2.11 U35#3.11 U35#4.11 U35#5.11 U35#6.11 U35#7.11 U35#8.11 U35#9.11 U36.11 U36#2.11 U36#3.11 U36#4.11 U36#5.11 U36#6.11 U36#7.11 U36#8.11 U36#9.11 U46.11 U46#2.11 U46#3.11 U46#4.11 U46#5.11 U46#6.11 U46#7.11 U46#8.11 U46#9.11
/AT1: R27.1 R27#2.1 R27#3.1 R27#4.1 R27#5.1 R27#6.1 R27#7.1 R27#8.1 R27#9.1 RN3.4 RN3#2.4 RN3#3.4 RN3#4.4 RN3#5.4 RN3#6.4 RN3#7.4 RN3#8.4 RN3#9.4 U3.18 U3#2.18 U3#3.18 U3#4.18 U3#5.18 U3#6.18 U3#7.18 U3#8.18 U3#9.18
/AT1_MCU: R67.1 R67#2.1 R67#3.1 R67#4.1 R67#5.1 R67#6.1 R67#7.1 R67#8.1 R67#9.1 R71.2 R71#2.2 R71#3.2 R71#4.2 R71#5.2 R71#6.2 R71#7.2 R71#8.2 R71#9.2 U1.23 U1#2.23 U1#3.23 U1#4.23 U1#5.23 U1#6.23 U1#7.23 U1#8.23 U1#9.23
/AT2: R25.1 R25#2.1 R25#3.1 R25#4.1 R25#5.1 R25#6.1 R25#7.1 R25#8.1 R25#9.1 RN3.3 RN3#2.3 RN3#3.3 RN3#4.3 RN3#5.3 RN3#6.3 RN3#7.3 RN3#8.3 RN3#9.3 U3.23 U3#2.23 U3#3.23 U3#4.23 U3#5.23 U3#6.23 U3#7.23 U3#8.23 U3#9.23
/AT2_MCU: R66.1 R66#2.1 R66#3.1 R66#4.1 R66#5.1 R66#6.1 R66#7.1 R66#8.1 R66#9.1 R70.2 R70#2.2 R70#3.2 R70#4.2 R70#5.2 R70#6.2 R70#7.2 R70#8.2 R70#9.2 U1.24 U1#2.24 U1#3.24 U1#4.24 U1#5.24 U1#6.24 U1#7.24 U1#8.24 U1#9.24
/AT3: R23.1 R23#2.1 R23#3.1 R23#4.1 R23#5.1 R23#6.1 R23#7.1 R23#8.1 R23#9.1 RN3.2 RN3#2.2 RN3#3.2 RN3#4.2 RN3#5.2 RN3#6.2 RN3#7.2 RN3#8.2 RN3#9.2 U3.24 U3#2.24 U3#3.24 U3#4.24 U3#5.24 U3#6.24 U3#7.24 U3#8.24 U3#9.24
/AT3_MCU: R65.1 R65#2.1 R65#3.1 R65#4.1 R65#5.1 R65#6.1 R65#7.1 R65#8.1 R65#9.1 R69.2 R69#2.2 R69#3.2 R69#4.2 R69#5.2 R69#6.2 R69#7.2 R69#8.2 R69#9.2 U1.25 U1#2.25 U1#3.25 U1#4.25 U1#5.25 U1#6.25 U1#7.25 U1#8.25 U1#9.25
/AT4: R14.1 R14#2.1 R14#3.1 R14#4.1 R14#5.1 R14#6.1 R14#7.1 R14#8.1 R14#9.1 RN3.1 RN3#2.1 RN3#3.1 RN3#4.1 RN3#5.1 RN3#6.1 RN3#7.1 RN3#8.1 RN3#9.1 U3.22 U3#2.22 U3#3.22 U3#4.22 U3#5.22 U3#6.22 U3#7.22 U3#8.22 U3#9.22
/AT4_MCU: R64.1 R64#2.1 R64#3.1 R64#4.1 R64#5.1 R64#6.1 R64#7.1 R64#8.1 R64#9.1 R68.2 R68#2.2 R68#3.2 R68#4.2 R68#5.2 R68#6.2 R68#7.2 R68#8.2 R68#9.2 U1.26 U1#2.26 U1#3.26 U1#4.26 U1#5.26 U1#6.26 U1#7.26 U1#8.26 U1#9.26
/CAM_MCU: C59.1 C59#2.1 C59#3.1 C59#4.1 C59#5.1 C59#6.1 C59#7.1 C59#8.1 C59#9.1 D40.4 D40#2.4 D40#3.4 D40#4.4 D40#5.4 D40#6.4 D40#7.4 D40#8.4 D40#9.4 RN13.5 RN13#2.5 RN13#3.5 RN13#4.5 RN13#5.5 RN13#6.5 RN13#7.5 RN13#8.5 RN13#9.5 TP2.1 TP2#2.1 TP2#3.1 TP2#4.1 TP2#5.1 TP2#6.1 TP2#7.1 TP2#8.1 TP2#9.1 U1.30 U1#2.30 U1#3.30 U1#4.30 U1#5.30 U1#6.30 U1#7.30 U1#8.30 U1#9.30 U46.3 U46#2.3 U46#3.3 U46#4.3 U46#5.3 U46#6.3 U46#7.3 U46#8.3 U46#9.3
/CAM_SENSOR: R28.1 R28#2.1 R28#3.1 R28#4.1 R28#5.1 R28#6.1 R28#7.1 R28#8.1 R28#9.1 RN13.4 RN13#2.4 RN13#3.4 RN13#4.4 RN13#5.4 RN13#6.4 RN13#7.4 RN13#8.4 RN13#9.4 U3.25 U3#2.25 U3#3.25 U3#4.25 U3#5.25 U3#6.25 U3#7.25 U3#8.25 U3#9.25
/CANH: D2.2 D2#2.2 D2#3.2 D2#4.2 D2#5.2 D2#6.2 D2#7.2 D2#8.2 D2#9.2 R22.1 R22#2.1 R22#3.1 R22#4.1 R22#5.1 R22#6.1 R22#7.1 R22#8.1 R22#9.1 U2.46 U2#2.46 U2#3.46 U2#4.46 U2#5.46 U2#6.46 U2#7.46 U2#8.46 U2#9.46 U3.48 U3#2.48 U3#3.48 U3#4.48 U3#5.48 U3#6.48 U3#7.48 U3#8.48 U3#9.48
/CANL: D2.1 D2#2.1 D2#3.1 D2#4.1 D2#5.1 D2#6.1 D2#7.1 D2#8.1 D2#9.1 R22.2 R22#2.2 R22#3.2 R22#4.2 R22#5.2 R22#6.2 R22#7.2 R22#8.2 R22#9.2 U2.47 U2#2.47 U2#3.47 U2#4.47 U2#5.47 U2#6.47 U2#7.47 U2#8.47 U2#9.47 U3.47 U3#2.47 U3#3.47 U3#4.47 U3#5.47 U3#6.47 U3#7.47 U3#8.47 U3#9.47
/CRANK: D28.2 D28#2.2 D28#3.2 D28#4.2 D28#5.2 D28#6.2 D28#7.2 D28#8.2 D28#9.2 TP4.1 TP4#2.1 TP4#3.1 TP4#4.1 TP4#5.1 TP4#6.1 TP4#7.1 TP4#8.1 TP4#9.1 U1.63 U1#2.63 U1#3.63 U1#4.63 U1#5.63 U1#6.63 U1#7.63 U1#8.63 U1#9.63 U2.21 U2#2.21 U2#3.21 U2#4.21 U2#5.21 U2#6.21 U2#7.21 U2#8.21 U2#9.21
/CRNK+: C35.1 C35#2.1 C35#3.1 C35#4.1 C35#5.1 C35#6.1 C35#7.1 C35#8.1 C35#9.1 R12.1 R12#2.1 R12#3.1 R12#4.1 R12#5.1 R12#6.1 R12#7.1 R12#8.1 R12#9.1 R15.1 R15#2.1 R15#3.1 R15#4.1 R15#5.1 R15#6.1 R15#7.1 R15#8.1 R15#9.1 R17.2 R17#2.2 R17#3.2 R17#4.2 R17#5.2 R17#6.2 R17#7.2 R17#8.2 R17#9.2 U3.45 U3#2.45 U3#3.45 U3#4.45 U3#5.45 U3#6.45 U3#7.45 U3#8.45 U3#9.45
/CRNK-: C35.2 C35#2.2 C35#3.2 C35#4.2 C35#5.2 C35#6.2 C35#7.2 C35#8.2 C35#9.2 R13.1 R13#2.1 R13#3.1 R13#4.1 R13#5.1 R13#6.1 R13#7.1 R13#8.1 R13#9.1 R15.2 R15#2.2 R15#3.2 R15#4.2 R15#5.2 R15#6.2 R15#7.2 R15#8.2 R15#9.2 R18.2 R18#2.2 R18#3.2 R18#4.2 R18#5.2 R18#6.2 R18#7.2 R18#8.2 R18#9.2 R19.2 R19#2.2 R19#3.2 R19#4.2 R19#5.2 R19#6.2 R19#7.2 R19#8.2 R19#9.2 U3.46 U3#2.46 U3#3.46 U3#4.46 U3#5.46 U3#6.46 U3#7.46 U3#8.46 U3#9.46
/CS_TLE: U1.86 U1#2.86 U1#3.86 U1#4.86 U1#5.86 U1#6.86 U1#7.86 U1#8.86 U1#9.86 U2.3 U2#2.3 U2#3.3 U2#4.3 U2#5.3 U2#6.3 U2#7.3 U2#8.3 U2#9.3
/E-THROTTLE+: C19.2 C19#2.2 C19#3.2 C19#4.2 C19#5.2 C19#6.2 C19#7.2 C19#8.2 C19#9.2 R42.2 R42#2.2 R42#3.2 R42#4.2 R42#5.2 R42#6.2 R42#7.2 R42#8.2 R42#9.2 U3.4 U3#2.4 U3#3.4 U3#4.4 U3#5.4 U3#6.4 U3#7.4 U3#8.4 U3#9.4 U4.5 U4#2.5 U4#3.5 U4#4.5 U4#5.5 U4#6.5 U4#7.5 U4#8.5 U4#9.5
/E-THROTTLE-: C19.1 C19#2.1 C19#3.1 C19#4.1 C19#5.1 C19#6.1 C19#7.1 C19#8.1 C19#9.1 R42.1 R42#2.1 R42#3.1 R42#4.1 R42#5.1 R42#6.1 R42#7.1 R42#8.1 R42#9.1 U3.8 U3#2.8 U3#3.8 U3#4.8 U3#5.8 U3#6.8 U3#7.8 U3#8.8 U3#9.8 U4.7 U4#2.7 U4#3.7 U4#4.7 U4#5.7 U4#6.7 U4#7.7 U4#8.7 U4#9.7
/FlashMemory/CS: U1.46 U1#2.46 U1#3.46 U1#4.46 U1#5.46 U1#6.46 U1#7.46 U1#8.46 U1#9.46 U6.1 U6#2.1 U6#3.1 U6#4.1 U6#5.1 U6#6.1 U6#7.1 U6#8.1 U6#9.1 U11.7 U11#2.7 U11#3.7 U11#4.7 U11#5.7 U11#6.7 U11#7.7 U11#8.7 U11#9.7
/FlashMemory/HOLD: U1.48 U1#2.48 U1#3.48 U1#4.48 U1#5.48 U1#6.48 U1#7.48 U1#8.48 U1#9.48 U6.7 U6#2.7 U6#3.7 U6#4.7 U6#5.7 U6#6.7 U6#7.7 U6#8.7 U6#9.7 U11.1 U11#2.1 U11#3.1 U11#4.1 U11#5.1 U11#6.1 U11#7.1 U11#8.1 U11#9.1
/GP1: U2.91 U2#2.91 U2#3.91 U2#4.91 U2#5.91 U2#6.91 U2#7.91 U2#8.91 U2#9.91 U3.35 U3#2.35 U3#3.35 U3#4.35 U3#5.35 U3#6.35 U3#7.35 U3#8.35 U3#9.35